# Altium PCB KB-PCB-R02.PcbDoc (part 2 of 5)
Units mm, origin at the board's own origin, x right, y up, seen from the top; angles counter-clockwise.
Board outline 263.4 x 114.34 mm, 4 copper layers (SIG_TOP, GND, PWR, SIG_BOTTOM), stack 1.118 mm thick; 686 components, 425 nets, 2244 pads, 421 vias.
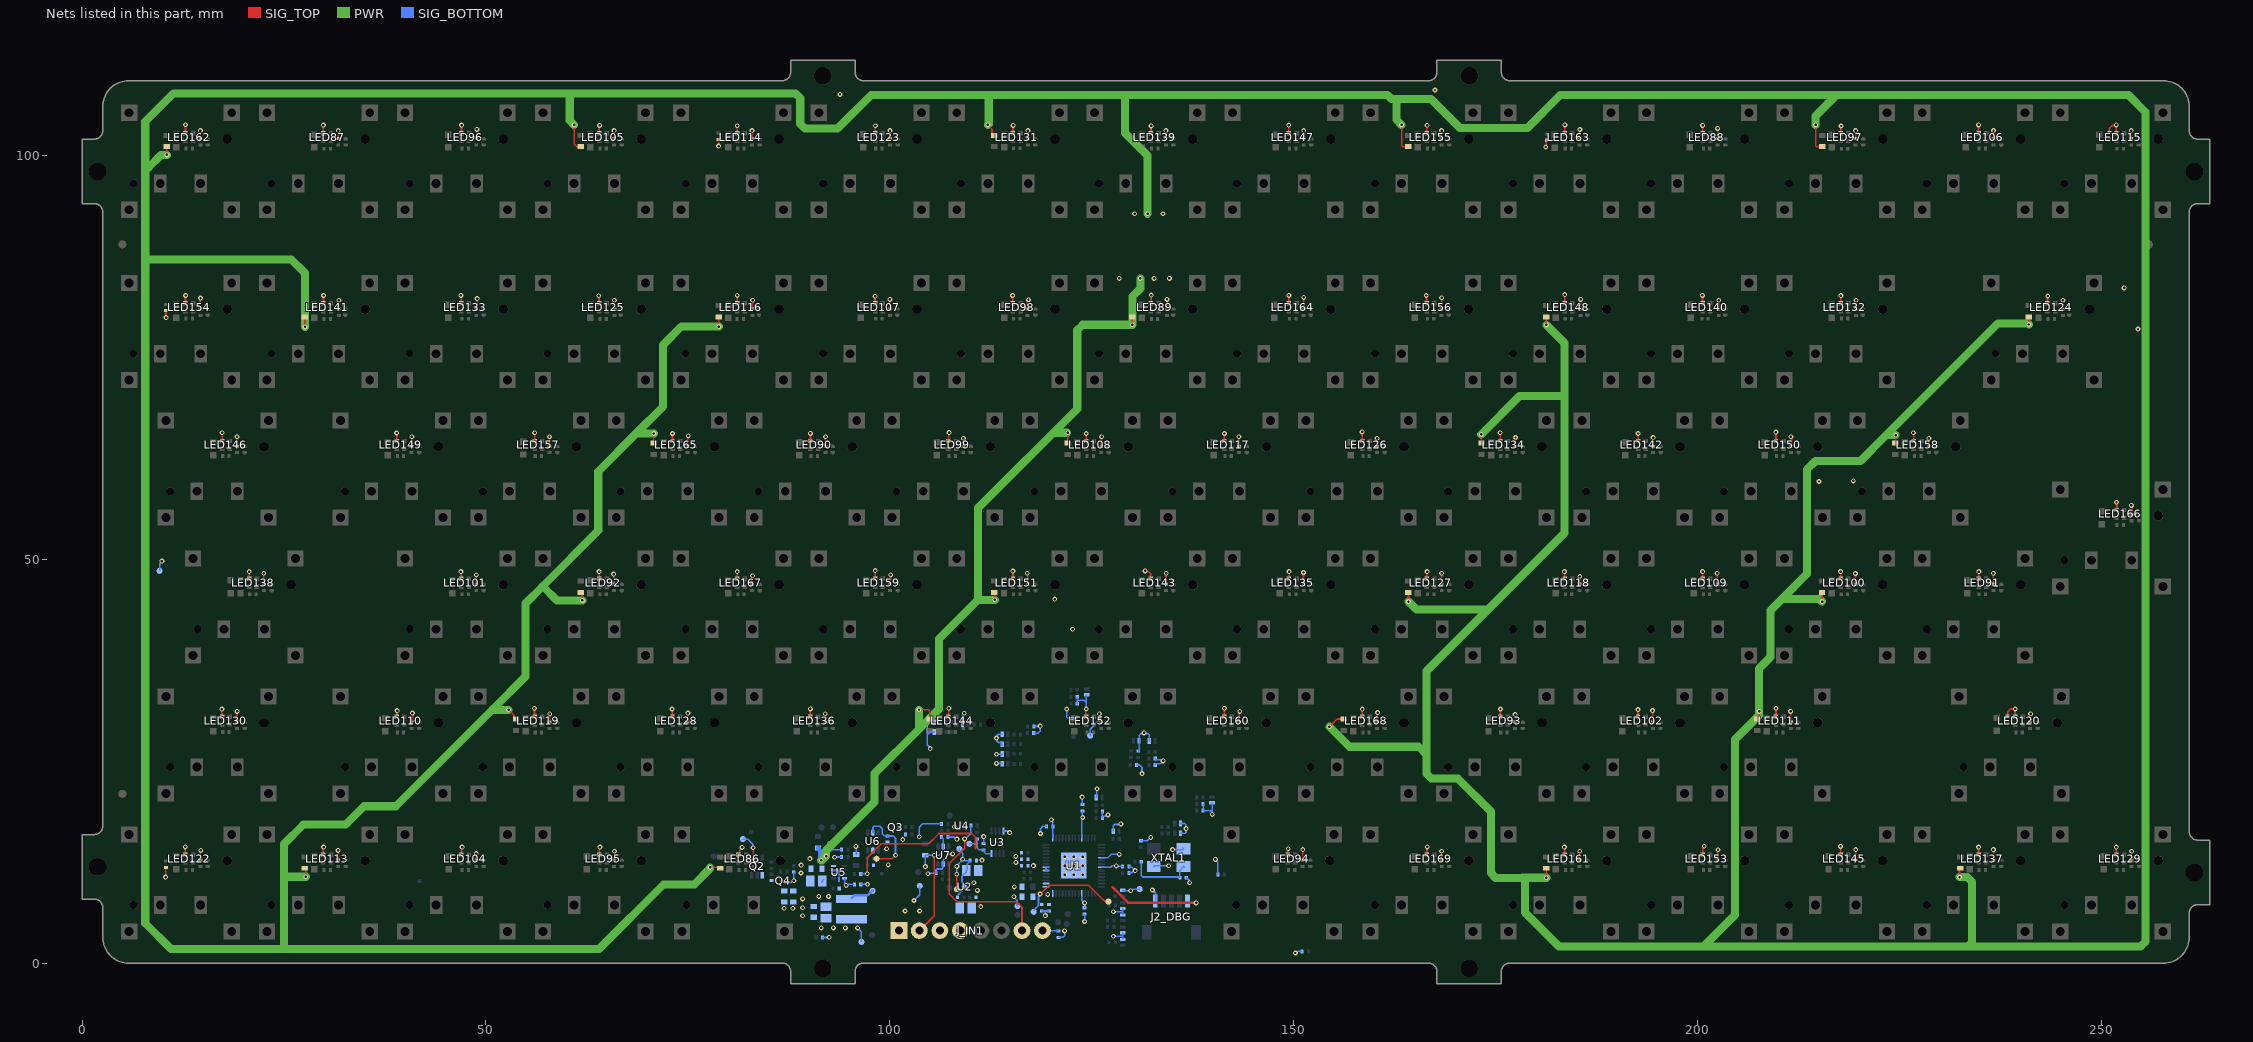
[diagram p4: the nets of this part, all layers, seen from the top]

## Components (designator, comment, footprint, x,y, rotation, side; value= is the part's Value field where it differs from the comment) (continued)
TP_RGB_P_CRTL "Testpoint 0.75mm" TP_0.75mm 91.538,16.835 r180 bottom
TP_SW "Testpoint 0.75mm" TP_0.75mm 97.857,8.987 r90 bottom
TP_W-LED-P_ON "Testpoint 0.75mm" TP_0.75mm 97.8,3.5 r90 bottom
U1 "RP2040" QFN40P700X700X90_HS-57M 122.767,12.108 r270 bottom
U2 "TLV74033PDQNR" X2SON-DFN 109.258,9.5 r270 bottom
U3 "W25Q16JVUXIQ" SON50P300X60_HS-9N 113.3,15 r270 bottom
U4 "PMZ130UNEYL" DFN65P98X50-3N 108.917,17.028 r90 bottom
U5 "MP3438" SOT583 93.7,11.3 r0 bottom
U6 "74HC2G14GW-Q100" TSOP65P210X110-6N#2 97.9,15.1 r90 bottom
U7 "74HC2G14GW-Q100" TSOP65P210X110-6N#2 106.6,13.4 r90 bottom
XTAL1 "H130B-12.000-18-3030-TR" XTAL_H130B-12.000-18-3030-TR 134.5,13.1 r180 bottom

## Footprints (in the part's own frame and the unit in brackets; to place one, negate y for a bottom-side part, rotate by r counter-clockwise, add the part's x,y. Pads: shape width x height; smd on the part's side, far side on the other; paste and mask are expansions set on the pad)
"BOARD-BOARD CON SPRING-LOADED HEADER 8X2,54MM RECEPTABLE" [mm] "nterconnect SLC Header / Spring-Loaded Header / Vertical Mount Through-Hole / Single Row / Through Hole"
  rect 2.08x2.08 hole 1: 1(-8.89,0)
  round 2.08 hole 1: 2(-6.35,0) 3(-3.81,0) 4(-1.27,0) 5(1.27,0) 6(3.81,0) 7(6.35,0) 8(8.89,0)
  silkscreen extent -10.26,-1.37 10.26,1.37
CAPC1005X06L [mm] "Chip Capacitor, 2-Leads, Body 1,00x0,50mm, IPC High Density"
  rect 0.38x0.48 smd: 1(-0.395,0) 2(0.395,0)
  body extent -0.5,-0.25 0.5,0.25, height 0.5
CAPC1608X10L [mm] "Chip Capacitor, 2-Leads, Body 1,60x0,80mm, IPC High Density"
  rect 0.63x0.8 smd: 1(-0.675,0) 2(0.675,0)
  body extent -0.8,-0.45 0.8,0.45, height 0.8
CAPC2012X14L [mm] "Chip Capacitor, 2-Leads, Body 2,00x1,25mm, IPC High Density"
  rect 1.05x1.35 smd: 1(-0.725,0) 2(0.725,0)
  body extent -1.1,-0.72 1.1,0.72, height 1.25
DFN65P98X50-3N [mm] "DFN, 3-Leads, Body 0,59x0,99mm, Pitch 0,65mm, IPC Medium Density"
  rrect50% 0.4x0.25 smd paste-2539.97 mask+0.102: 1(-0.325,0.225) 2(-0.325,-0.225)
  rrect50% 0.4x0.7 smd paste-2539.97 mask+0.102: 3(0.375,0)
  silkscreen extent -0.56,0.66 -0.46,0.76, body extent -0.51,-0.31 0.51,0.31, height 0.5
DFN65P100X50-2N [mm] "DFN, 2-Leads, Body 0,60x1,00mm, Pitch 0,65mm, IPC Medium Density"
  rect 0.4x0.7 smd: 1(-0.35,0) 2(0.35,0)
  silkscreen extent -0.55,0.65 -0.45,0.75, body extent -0.5,-0.3 0.5,0.3, height 0.5
DFN1006-2A [mm] "Leadless ultra small DFN1006-2A package (1mm × 0.6mm × 0.45mm)"
  rect 0.4x0.3 smd mask+0.05: 1(-0.4,0) 2(0.4,0)
  rect 0.3x0.55 smd mask+0.05: 1(-0.35,0) 2(0.35,0)
  body extent -0.5,-0.3 0.5,0.3, height 0.38
FD_1mm_Copper_3mm_Expansion [mm]
  round 1 smd paste-2539.97 mask+1: FD(0,0)
INDM4141X21N [mm] "Molded Inductor, 2-Leads, Body 4,10x4,10mm, IPC Medium Density"
  rect 1x3.8 smd: 1(-1.25,0) 2(1.25,0)
  silkscreen extent -0.33,-2.15 0.32,2.15, body extent -2.05,-2.05 2.05,2.05, height 1.9
"LED 0603" [mm]
  rect 0.8x0.8 smd: 1(-0.8,0) 2(0.8,0)
  silkscreen extent -1.55,-0.6 -1.4,0.6, body extent -0.8,-0.4 0.8,0.4, height 0.8
"LED 0606 RGB SK6805-EC15" [mm] "-40?~+80? RGB 0606 Light Emitting Diodes (LED) ROHS"
  rect 0.55x0.55 smd: 1(-0.474,-0.475) 2(0.476,-0.469) 3(0.474,0.475) 4(-0.476,0.475)
  silkscreen extent -0.81,-1.01 -0.79,-0.99, body extent -0.75,-0.75 0.75,0.75, height 0.65
MP_Keyboard_EdgeMounts_2.2mm [mm]
  round 2.2 hole 2.2: 1(0,0)
  round 0.025 all layers, no hole mask+0: 1(0.25,0)
  SIG_TOP region: -1.7,-2.2 -1.7,2.2 0,2.2 0,2.2 1.1,1.905 1.905,1.1 2.2,0 1.905,-1.1 1.1,-1.905 0,-2.2 0,-2.2 0,-2.2
  GND region: -1.7,-2.2 -1.7,2.2 0,2.2 0,2.2 1.1,1.905 1.905,1.1 2.2,0 1.905,-1.1 1.1,-1.905 0,-2.2 0,-2.2 0,-2.2
  PWR region: -1.7,-2.2 -1.7,2.2 0,2.2 0,2.2 1.1,1.905 1.905,1.1 2.2,0 1.905,-1.1 1.1,-1.905 0,-2.2 0,-2.2 0,-2.2
  SIG_BOTTOM region: -1.7,-2.2 -1.7,2.2 0,2.2 0,2.2 1.1,1.905 1.905,1.1 2.2,0 1.905,-1.1 1.1,-1.905 0,-2.2 0,-2.2 0,-2.2
QFN40P700X700X90_HS-57M [mm] "QFN, 56-Leads, Body 7,00x7,00mm, Pitch 0,40mm, Thermal Pad 3,20x3,20mm, IPC Low Density"
  oval 0.875x0.2 smd: 1(-3.437,2.6) 2(-3.437,2.2) 3(-3.437,1.8) 4(-3.437,1.4) 5(-3.437,1) 6(-3.437,0.6) 7(-3.437,0.2) 8(-3.437,-0.2) 9(-3.437,-0.6) 10(-3.437,-1) 11(-3.437,-1.4) 12(-3.437,-1.8) 13(-3.437,-2.2) 14(-3.437,-2.6) 29(3.438,-2.6) 30(3.438,-2.2) 31(3.438,-1.8) 32(3.438,-1.4) 33(3.438,-1) 34(3.438,-0.6) 35(3.438,-0.2) 36(3.438,0.2) 37(3.438,0.6) 38(3.438,1) 39(3.438,1.4) 40(3.438,1.8) 41(3.438,2.2) 42(3.438,2.6)
  oval 0.2x0.875 smd: 15(-2.6,-3.438) 16(-2.2,-3.438) 17(-1.8,-3.438) 18(-1.4,-3.438) 19(-1,-3.438) 20(-0.6,-3.438) 21(-0.2,-3.438) 22(0.2,-3.438) 23(0.6,-3.438) 24(1,-3.438) 25(1.4,-3.438) 26(1.8,-3.438) 27(2.2,-3.438) 28(2.6,-3.438) 43(2.6,3.437) 44(2.2,3.437) 45(1.8,3.437) 46(1.4,3.437) 47(1,3.437) 48(0.6,3.437) 49(0.2,3.437) 50(-0.2,3.437) 51(-0.6,3.437) 52(-1,3.437) 53(-1.4,3.437) 54(-1.8,3.437) 55(-2.2,3.437) 56(-2.6,3.437)
  rect 3.2x3.2 smd: 57(0,0)
  silkscreen extent -4.47,-3.7 3.7,3.7, body extent -3.55,-3.55 3.55,3.55, height 0.9
RESC1005X04L [mm] "Chip Resistor, 2-Leads, Body 1,00x0,53mm, IPC High Density"
  rect 0.38x0.48 smd: 1(-0.395,0) 2(0.395,0)
  body extent -0.53,-0.27 0.52,0.28, height 0.4
RESC1608X04L [mm] "Chip Resistor, 2-Leads, Body 1,60x0,80mm, IPC High Density"
  rect 0.6x0.8 smd: 1(-0.7,0) 2(0.7,0)
  silkscreen extent -0.1,-0.3 0.1,0.3, body extent -0.8,-0.4 0.8,0.4, height 0.45
SON50P300X60_HS-9N [mm] "SON, 8-Leads, Body 2,00x3,00mm, Pitch 0,50mm, Thermal Pad 1,60x0,20mm, IPC Medium Density"
  rect 0.9x0.25 smd: 1(-1.395,0.75) 2(-1.395,0.25) 3(-1.395,-0.25) 4(-1.395,-0.75) 5(1.395,-0.75) 6(1.395,-0.25) 7(1.395,0.25) 8(1.395,0.75)
  rect 0.2x1.6 smd: 9(0,0)
  silkscreen extent -2,-1.2 1.55,1.25, body extent -1.6,-1.05 1.6,1.05, height 0.6
SOT583 [mm] "TSSOP, 8-Leads, Body 2,10x1,20mm, Pitch 0,50mm, IPC Medium Density"
  rect 0.6x0.25 smd: 1(-0.7,0.75) 2(-0.7,0.25) 3(-0.7,-0.25) 4(-0.7,-0.75) 5(0.7,-0.75) 6(0.7,-0.25) 7(0.7,0.25) 8(0.7,0.75)
  silkscreen extent -0.82,-1.1 0.25,1.55, body extent -0.85,-1.1 0.85,1.1, height 0.56
SW_KEYBOARD_KAIHL-PG1316S [mm] "PG1316S Push Switch ??: CPG1316S01D02"
  rect 1.55x2.2 hole 1.1: 1(-2.5,-2.75) 2(2.5,-2.75)
  round 1 hole 1 unplated: FIX(-5.8,-2.75)
  round 1.2 hole 1.2 unplated: FIX(5.8,2.75)
  rect 2x2 hole 1.1: MT(-6.35,-6) MT(-6.35,6) MT(6.35,-6) MT(6.35,6)
  silkscreen extent -7.96,-7.6 7.99,7.62, body extent -6.75,-6.5 6.75,6.5, height 3.43
TP_0.50mm [mm] "Testpoint 0.50mm diameter"
  round 0.5 smd paste-1: TP(0,0)
  body extent -0.2,-0.2 0.2,0.2, height 0.1
TP_0.75mm [mm] "Testpoint 0.75mm diameter"
  round 0.75 smd paste-1: TP(0,0)
  body extent -0.3,-0.3 0.3,0.3, height 0.1
TSOP65P210X110-6N#1 [mm] "TSOP, 6-Leads, Body 2,00x1,25mm, Pitch 0,65mm, IPC Medium Density"
  rect 0.8x0.45 smd: 1(-1.1,0.65) 2(-1.1,0) 3(-1.1,-0.65) 4(1.1,-0.65) 5(1.1,0) 6(1.1,0.65)
  silkscreen extent -1.22,-1.1 0.3,1.55, body extent -1.04,-1.1 1.04,1.1, height 1.1
TSOP65P210X110-6N#2 [mm] "TSOP, 6-Leads, Body 2,00x1,25mm, Pitch 0,65mm, IPC Medium Density"
  oval 0.8x0.45 smd: 1(-1.1,0.65) 2(-1.1,0) 3(-1.1,-0.65) 4(1.1,-0.65) 5(1.1,0) 6(1.1,0.65)
  silkscreen extent -1.22,-1.1 0.3,1.55, body extent -1.04,-1.1 1.04,1.1, height 1.1
"WIRE-TO-BOARD SM05B-SRSS-TB" [mm] "Termination Type:Surface Mount Right Angle; Product Range:Sr Series Rohs Compliant: Yes"
  rect 0.6x1.55 smd: 1(2,-1.937) 2(1,-1.937) 3(0,-1.937) 4(-1,-1.937) 5(-2,-1.937)
  rect 1.2x1.8 smd: MT(-3.05,1.938) MT(3.05,1.938)
  silkscreen extent -3.95,-3.7 3.95,3.15, body extent -3.5,-2.34 3.5,2.61, height 2.9
X2SON-DFN [mil] "X2SON small outline to lead"
  round 1 smd paste-99999 mask+4: 1(-21.63,12.8) 2(-21.63,-12.8) 3(21.63,-12.8) 4(21.63,12.8)
  rect 22.83x22.83 smd rot 45 paste-99999 mask+4: 5(0,0)
  SIG_TOP region: 27.14,-18.9 27.14,-6.69 16.32,-6.69 9.03,-13.98 9.03,-18.9
  SIG_TOP region: -27.14,-18.9 -27.14,-6.69 -16.32,-6.69 -9.03,-13.98 -9.03,-18.9
  SIG_TOP region: 27.14,18.9 27.14,6.69 16.32,6.69 9.03,13.98 9.03,18.9
  SIG_TOP region: -27.14,18.9 -27.14,6.69 -16.32,6.69 -9.03,13.98 -9.03,18.9
  body extent -20,-20 20,20, height 18
XTAL_H130B-12.000-18-3030-TR [mm] "CRYSTAL 12.0000MHZ 18PF SMD"
  rect 1.7x1.4 smd: 1(-1.85,-1.1) 2(1.85,-1.1) 3(1.85,1.1) 4(-1.85,1.1)
  silkscreen extent -3.02,-2.55 3.02,2.12, body extent -2.55,-1.6 2.45,1.6, height 0.85

## Part data
C1 C3 C5 C6 C7 C8 C9 C12 C13 C14 C15 C18 C22 C26 C27 C28 C29 C30 C31 C32 C33 C34 C35 C36 C37 C38 C39 C40 C41 C42 C43 C44 C45 C46 C47 C48 C49 C50 C51 C54 C55 C56 C57 C58 C59 C60 C61 C62 C63 C64 C65 C66 C67 C68 C69 C70 C71 C72 C73 C74 C75 C76 C77 C78 C79 C80 C81 C82 C83 C84 C85 C86 C87 C88 C89 C90 C91 C92 C93 C94 C95 C96 C97 C98 C99 C100 C101 C102 C103 C104 C105 C106 C107 C108 C109 C115 C116: library part CAP_0402_100nF_25V, "Multilayer Ceramic Capacitors MLCC - SMD/SMT 0402 25VDC", Manufacturer 1="KYOCERA AVX", Manufacturer 1 Prt. Nr.=KGM05AR71C104KH, Manufacturer 2="Taiyo Yuden", Manufacturer 2 Prt. Nr.=EMK105B7104KV-F
C2 C4 C25: library part CAP_0603_1µ_16V, "Multilayer Ceramic Capacitors MLCC - SMD/SMT 0603 16VDC", Manufacturer 1="Samsung Electro-Mechanics", Manufacturer 1 Prt. Nr.=CL05A105KO5NNNC, Manufacturer 2="Taiyo Yuden", Manufacturer 2 Prt. Nr.=EMK105BJ105KV-F
C10 C11: library part CAP_0805_10µ_16V, "Multilayer Ceramic Capacitors MLCC - SMD/SMT 0603 25VDC", Manufacturer 1="Samsung Electro-Mechanics", Manufacturer 1 Prt. Nr.=CL21A106KOQNNNG, Manufacturer 2=KEMET, Manufacturer 2 Prt. Nr.=C0805C106K8PAC7210
C16 C17: library part CAP_0402_27pF_50V, "Multilayer Ceramic Capacitors MLCC - SMD/SMT 0402 50VDC", Manufacturer 1="Johanson Technology Inc.", Manufacturer 1 Prt. Nr.=QSCF500Q270G1GV001T, Manufacturer 2="Murata Electronics", Manufacturer 2 Prt. Nr.=GJM1555C1H270GB01D
C19 C110 C111 C112 C113 C114: library part CAP_0402_330p_50V, "Multilayer Ceramic Capacitors MLCC - SMD/SMT 0402 50VDC", Manufacturer 1="Murata Electronics", Manufacturer 1 Prt. Nr.=GCM1555C1H331FA16J, Manufacturer 2=KEMET, Manufacturer 2 Prt. Nr.=C0402C331J5GACAUTO
C20 C23: library part CAP_0805_22µ_25V, "Multilayer Ceramic Capacitors MLCC - SMD/SMT 0603 25VDC", Manufacturer 1="Murata Electronics", Manufacturer 1 Prt. Nr.=GRM21BR61E226ME44K, Manufacturer 2=YAGEO, Manufacturer 2 Prt. Nr.=CC0805MKX5R8BB226
C21 C24 C52 C53: library part CAP_0603_10µ_25V, "Multilayer Ceramic Capacitors MLCC - SMD/SMT 0603 25VDC", Manufacturer 1="Murata Electronics", Manufacturer 1 Prt. Nr.=GRM188R61E106KA73J, Manufacturer 2="Samsung Electro-Mechanics", Manufacturer 2 Prt. Nr.=CL10A106MA8NRNC
D1 D2 D3 D4 D5 D6 D7 D8 D9 D10 D11 D12 D13 D14 D15 D16 D17 D18 D19 D20 D21 D22 D23 D24 D25 D26 D27 D28 D29 D30 D31 D32 D33 D34 D35 D36 D37 D38 D39 D40 D41 D42 D43 D44 D45 D46 D47 D48 D49 D50 D51 D52 D53 D54 D55 D56 D57 D58 D59 D60 D61 D62 D63 D64 D65 D66 D67 D68 D69 D70 D71 D72 D73 D74 D75 D76 D77 D78 D79 D80: library part "Schottky 30V_BAT54LS-QYL", "Schottky Diodes & Rectifiers", Manufacturer 1=Nexperia, Manufacturer 1 Prt. Nr.=BAT54LS-QYL
D81 D82 D83 D84 D85 D86 D87 D88 D89 D90 D91 D92 D93 D94 D95 D96 D97 D98 D99 D100 D101: library part "ESD 5.5V_PESD5V5C1UL", "ESD Diode 5.5V working voltage DFN1006-2", Manufacturer 1=Nexperia, Manufacturer 1 Prt. Nr.=PESD5V5C1UL
FD1 FD2 FD3 FD4 FD5 FD6: library part MP_Fiducial_1mm, "Fiducial with 1 mm radius and 3mm soldermask expansion"
J2_DBG: library part "Wire to Board Connector_5pol_SM05B-SRSS-TB", "Wire to Board Connector 5pol 1.0mm Pitch", Manufacturer 1=JST, Manufacturer 1 Prt. Nr.=SM05B-SRSS-TB
J_IN1: library part "Board to Board Connector_816-22-008-10-004101_receptable", "8x2,54 spring header receptable", Manufacturer 1=N/A, Manufacturer Part Number1=N/A
L1: library part IND_MPL-AL4020-3R3_3.3uH_4.4A, "Low-Resistance Molded Inductor 3.3μH", Manufacturer 1=MPS, Manufacturer 1 Prt. Nr.=MPL-AL4020-3R3
LED1 LED2 LED3 LED4 LED5 LED6 LED7 LED8 LED9 LED10 LED11 LED12 LED13 LED14 LED15 LED16 LED17 LED18 LED19 LED20 LED21 LED22 LED23 LED24 LED25 LED26 LED27 LED29 LED30 LED31 LED32 LED33 LED34 LED35 LED36 LED37 LED38 LED39 LED40 LED41 LED42 LED43 LED44 LED45 LED46 LED47 LED48 LED49 LED50 LED51 LED52 LED53 LED54 LED55 LED57 LED58 LED59 LED60 LED61 LED62 LED63 LED64 LED65 LED66 LED67 LED68 LED69 LED70 LED71 LED72 LED73 LED74 LED75 LED76 LED77 LED78 LED79 LED80 LED81 LED82 LED83 LED85: library part "LED White_HL-PT-1608H322W-L", "8000K~12000K 500mcd Yellow Diffused -40℃~+85℃ Positive post White light 130° 70mW 0603 Light Emitting Diodes (LED) ROHS", Manufacturer 1=HONGLITRONIC, Manufacturer 1 Prt. Nr.=HL-PT-1608H322W-L
LED86 LED87 LED88 LED89 LED90 LED91 LED92 LED93 LED94 LED95 LED96 LED97 LED98 LED99 LED100 LED101 LED102 LED104 LED105 LED106 LED107 LED108 LED109 LED110 LED111 LED113 LED114 LED115 LED116 LED117 LED118 LED119 LED120 LED122 LED123 LED124 LED125 LED126 LED127 LED128 LED129 LED130 LED131 LED132 LED133 LED134 LED135 LED136 LED137 LED138 LED139 LED140 LED141 LED142 LED143 LED144 LED145 LED146 LED147 LED148 LED149 LED150 LED151 LED152 LED153 LED154 LED155 LED156 LED157 LED158 LED159 LED160 LED161 LED162 LED163 LED164 LED165 LED166 LED167 LED168 LED169: library part "LED RGB SK6805-EC15", "-40℃~+80℃ RGB 0606 Light Emitting Diodes (LED) ROHS", Manufacturer 1="OPSCO Optoelectronics", Manufacturer 1 Prt. Nr.=SK6805-EC15
MP1 MP2 MP3 MP4 MP5 MP6 MP7 MP8: library part MP_Keyboard_EdgeMount_2.2mm, "Edgemount for keyboard"
Q2: library part "P-Channel MOSFET_PMG85XP", "- 20 V, 2 A P-channel Trench MOSFET", Manufacturer 1=Nexperia, Manufacturer 1 Prt. Nr.=PMG85XP,115
Q3 Q4 U4: library part "N-Channel MOSFET_PMZ130UNEYL", "MOSFET PMZ130UNE/SOT883/XQFN3", Manufacturer 1=Nexperia, Manufacturer 1 Prt. Nr.=PMZ130UNEYL
R1 R2: library part RES_0402_27R_1%, "Thick Film Resistors - SMD 27R 1%", Manufacturer 1=YAGEO, Manufacturer 1 Prt. Nr.=RC0402FR-0727RL, Manufacturer 2="TE Connectivity Passive Product", Manufacturer 2 Prt. Nr.=CRGCQ0402F27R
R3 R4 R5 R6 R7 R8 R10 R49: library part RES_0402_10k_1%, "Thick Film Resistors - SMD 10k 1%", Manufacturer 1="Vishay / Dale", Manufacturer 1 Prt. Nr.=CRCW040210K0FKEDC, Manufacturer 2=YAGEO, Manufacturer 2 Prt. Nr.=RT0402FRE0710KL
R9 R11: library part RES_0402_1k_1%, "Thick Film Resistors - SMD 1k 1%", Manufacturer 1="Vishay / Dale", Manufacturer 1 Prt. Nr.=CRCW04021K00FKEDC, Manufacturer 2=YAGEO, Manufacturer 2 Prt. Nr.=RT0402FRE131KL
R12 R13 R14 R15 R16 R17 R18 R19: library part RES_0402_0R_1%, "Thick Film Resistors - SMD 0OHM 1%", Manufacturer 1=Bourns, Manufacturer 1 Prt. Nr.=CR0402AJ/-000GAS, Manufacturer 2=YAGEO, Manufacturer 2 Prt. Nr.=AC0402FR-070RL
R20 R21 R63: library part RES_0402_100k_1%, "Thick Film Resistors - SMD 100k 1%", Manufacturer 1="Vishay / Dale", Manufacturer 1 Prt. Nr.=CRCW0402100KFKEDC, Manufacturer 2=YAGEO, Manufacturer 2 Prt. Nr.=RC0402FR-07100KL
R22 R23 R24 R25 R26 R27 R28 R29 R30 R31 R32 R33 R34 R35 R36 R37 R38 R39 R40 R41 R42 R43 R44 R45 R46 R47 R48: library part RES_0603_113R_1%, "Thick Film Resistors - SMD 113OHM 1%", Manufacturer 1=YAGEO, Manufacturer 1 Prt. Nr.=RC0603FR-07113RL, Manufacturer 2="Panasonic Electronic Components", Manufacturer 2 Prt. Nr.=ERJ-3EKF1130V
R50 R51 R57 R60 R64 R65: library part RES_0402_100R_1%, "Thick Film Resistors - SMD 100R 1%", Manufacturer 1="Vishay / Dale", Manufacturer 1 Prt. Nr.=CRCW0402100RFKEDC, Manufacturer 2=YAGEO, Manufacturer 2 Prt. Nr.=RC0402FR-07100RL
R52 R53 R55 R59 R66 R168: library part RES_0402_47k_1%, "Thick Film Resistors - SMD 47k 1%", Manufacturer 1="Vishay / Dale", Manufacturer 1 Prt. Nr.=CRCW040247K0FKEDC, Manufacturer 2=YAGEO, Manufacturer 2 Prt. Nr.=RT0402FRE0747KL
R54: library part RES_0603_88R7_1%_1, "Thick Film Resistors - SMD 88.7OHM 1%", Manufacturer 1=Panasonic, Manufacturer 1 Prt. Nr.=ERJ-3EKF88R7V, Manufacturer 2=Bourns, Manufacturer 2 Prt. Nr.=CR0603-FX-88R7ELF
R56: library part RES_0402_750k_1%, "Thick Film Resistors - SMD 750k 1%", Manufacturer 1=Bourns, Manufacturer 1 Prt. Nr.=CR0402-FX-7503GLF, Manufacturer 2="Vishay / Dale", Manufacturer 2 Prt. Nr.=CRCW0402750KFKEDC
R58: library part RES_0402_68k_1%, "Thick Film Resistors - SMD 68k 1%", Manufacturer 1=Bourns, Manufacturer 1 Prt. Nr.=CR0402-FX-6802GLF, Manufacturer 2="ROHM Semiconductor", Manufacturer 2 Prt. Nr.=SFR01MZPJ683
R61 R62 R67 R68 R69 R70 R71 R72 R73 R74 R75 R76 R77 R78 R79 R80 R81 R82 R83 R84 R85 R86 R87 R88 R89 R90 R91 R92 R93 R94 R95 R96 R97 R98 R99 R100 R101 R102 R103 R104 R105 R106 R107 R108 R109 R110 R111 R112 R113 R114 R115 R116 R117 R118 R119 R120 R121 R122 R123 R124 R125 R126 R127 R128 R129 R130 R131 R132 R133 R134 R135 R136 R137 R138 R139 R140 R141 R142 R143 R144 R145 R146: library part RES_0402_470R_1%, "Thick Film Resistors - SMD 470R 1%", Manufacturer 1="Vishay / Dale", Manufacturer 1 Prt. Nr.=CRCW0402470RFKED, Manufacturer 2=YAGEO, Manufacturer 2 Prt. Nr.=RC0402FR-13470RL
R147 R148 R149 R150 R151 R152 R153 R154 R155 R156 R157 R158 R159 R160 R161 R162 R163 R164 R165 R166 R167: library part RES_0402_300R_1%, "Thick Film Resistors - SMD 300Ω 1%", Manufacturer 1=Panasonic, Manufacturer 1 Prt. Nr.=ERJ-2RKF3000X, Manufacturer 2="ROHM Semiconductor", Manufacturer 2 Prt. Nr.=SFR01MZPJ301
SW1 SW2 SW3 SW4 SW5 SW6 SW7 SW8 SW9 SW10 SW11 SW12 SW13 SW14 SW15 SW16 SW17 SW18 SW19 SW20 SW21 SW22 SW23 SW24 SW25 SW26 SW27 SW28 SW29 SW30 SW31 SW32 SW33 SW34 SW35 SW36 SW37 SW38 SW39 SW40 SW41 SW42 SW43 SW44 SW45 SW46 SW47 SW48 SW49 SW50 SW51 SW52 SW53 SW54 SW55 SW56 SW57 SW58 SW59 SW60 SW61 SW62 SW63 SW64 SW65 SW66 SW67 SW68 SW69 SW70 SW71 SW72 SW73 SW74 SW75 SW76 SW77 SW78 SW79 SW80 SW81: library part SW_KEYBOARD_CPG1316S01D02, "Switch for keyboard, PG1316S series, Push-on type S. P. S. T", Manufacturer 1="Kaihua Electronics", Manufacturer 1 Prt. Nr.=CPG1316S01D02
U1: library part uC_32bit_30IO_RP2040, "32Bit Microcontroller 30IO 133MHz RP2040", Manufacturer 1="Raspberry Pi Foundation", Manufacturer 1 Prt. Nr.=RP2040
U2: library part "LDO 3.3V_TLV74033PDQNR", "LDO voltage regulator 300mA X2SON", Manufacturer 1="Texas Instruments", Manufacturer 1 Prt. Nr.=TLV74033PDQNR
U3: library part NOR_Flash_W25Q16JVUXIQ, "NOR Flash spiFlash, 3V, 16M-bit, 4Kb Uniform Sector, DTR", Manufacturer 1=Winbond, Manufacturer Part Number 1=W25Q16JVUXIQ
U5: library part "Boost 2A, 16V_MP3438", "2A, 16V, High-Efficiency, Fully Integrated, Synchronous Boost Converter", Manufacturer 1=MPS, Manufacturer 1 Prt. Nr.=MP3438
U6 U7: library part "Dual inverting Schmitt trigger 74HC2G14GW-Q100", "Schmitt Trigger Inverter, 1I/P, 125Deg C Rohs Compliant: Yes", Manufacturer 1=Nexperia, Manufacturer 1 Prt. Nr.=74HC2G14GW-Q100
XTAL1: library part Crystal_RE-5032_12MHz, "CRYSTAL 12.0000MHZ 18PF SMD", Manufacturer 1="Raltron Electronics", Manufacturer 1 Prt. Nr.=H130B-12.000-18-3030-TR

## Via types
v1: diameter 0.6, hole 0.3, SIG_TOP to SIG_BOTTOM, tented both sides, 412 vias
v2: diameter 0.5, hole 0.3, SIG_TOP to SIG_BOTTOM, 9 vias
